# Allegro board com_v1_p3.brd (continued)
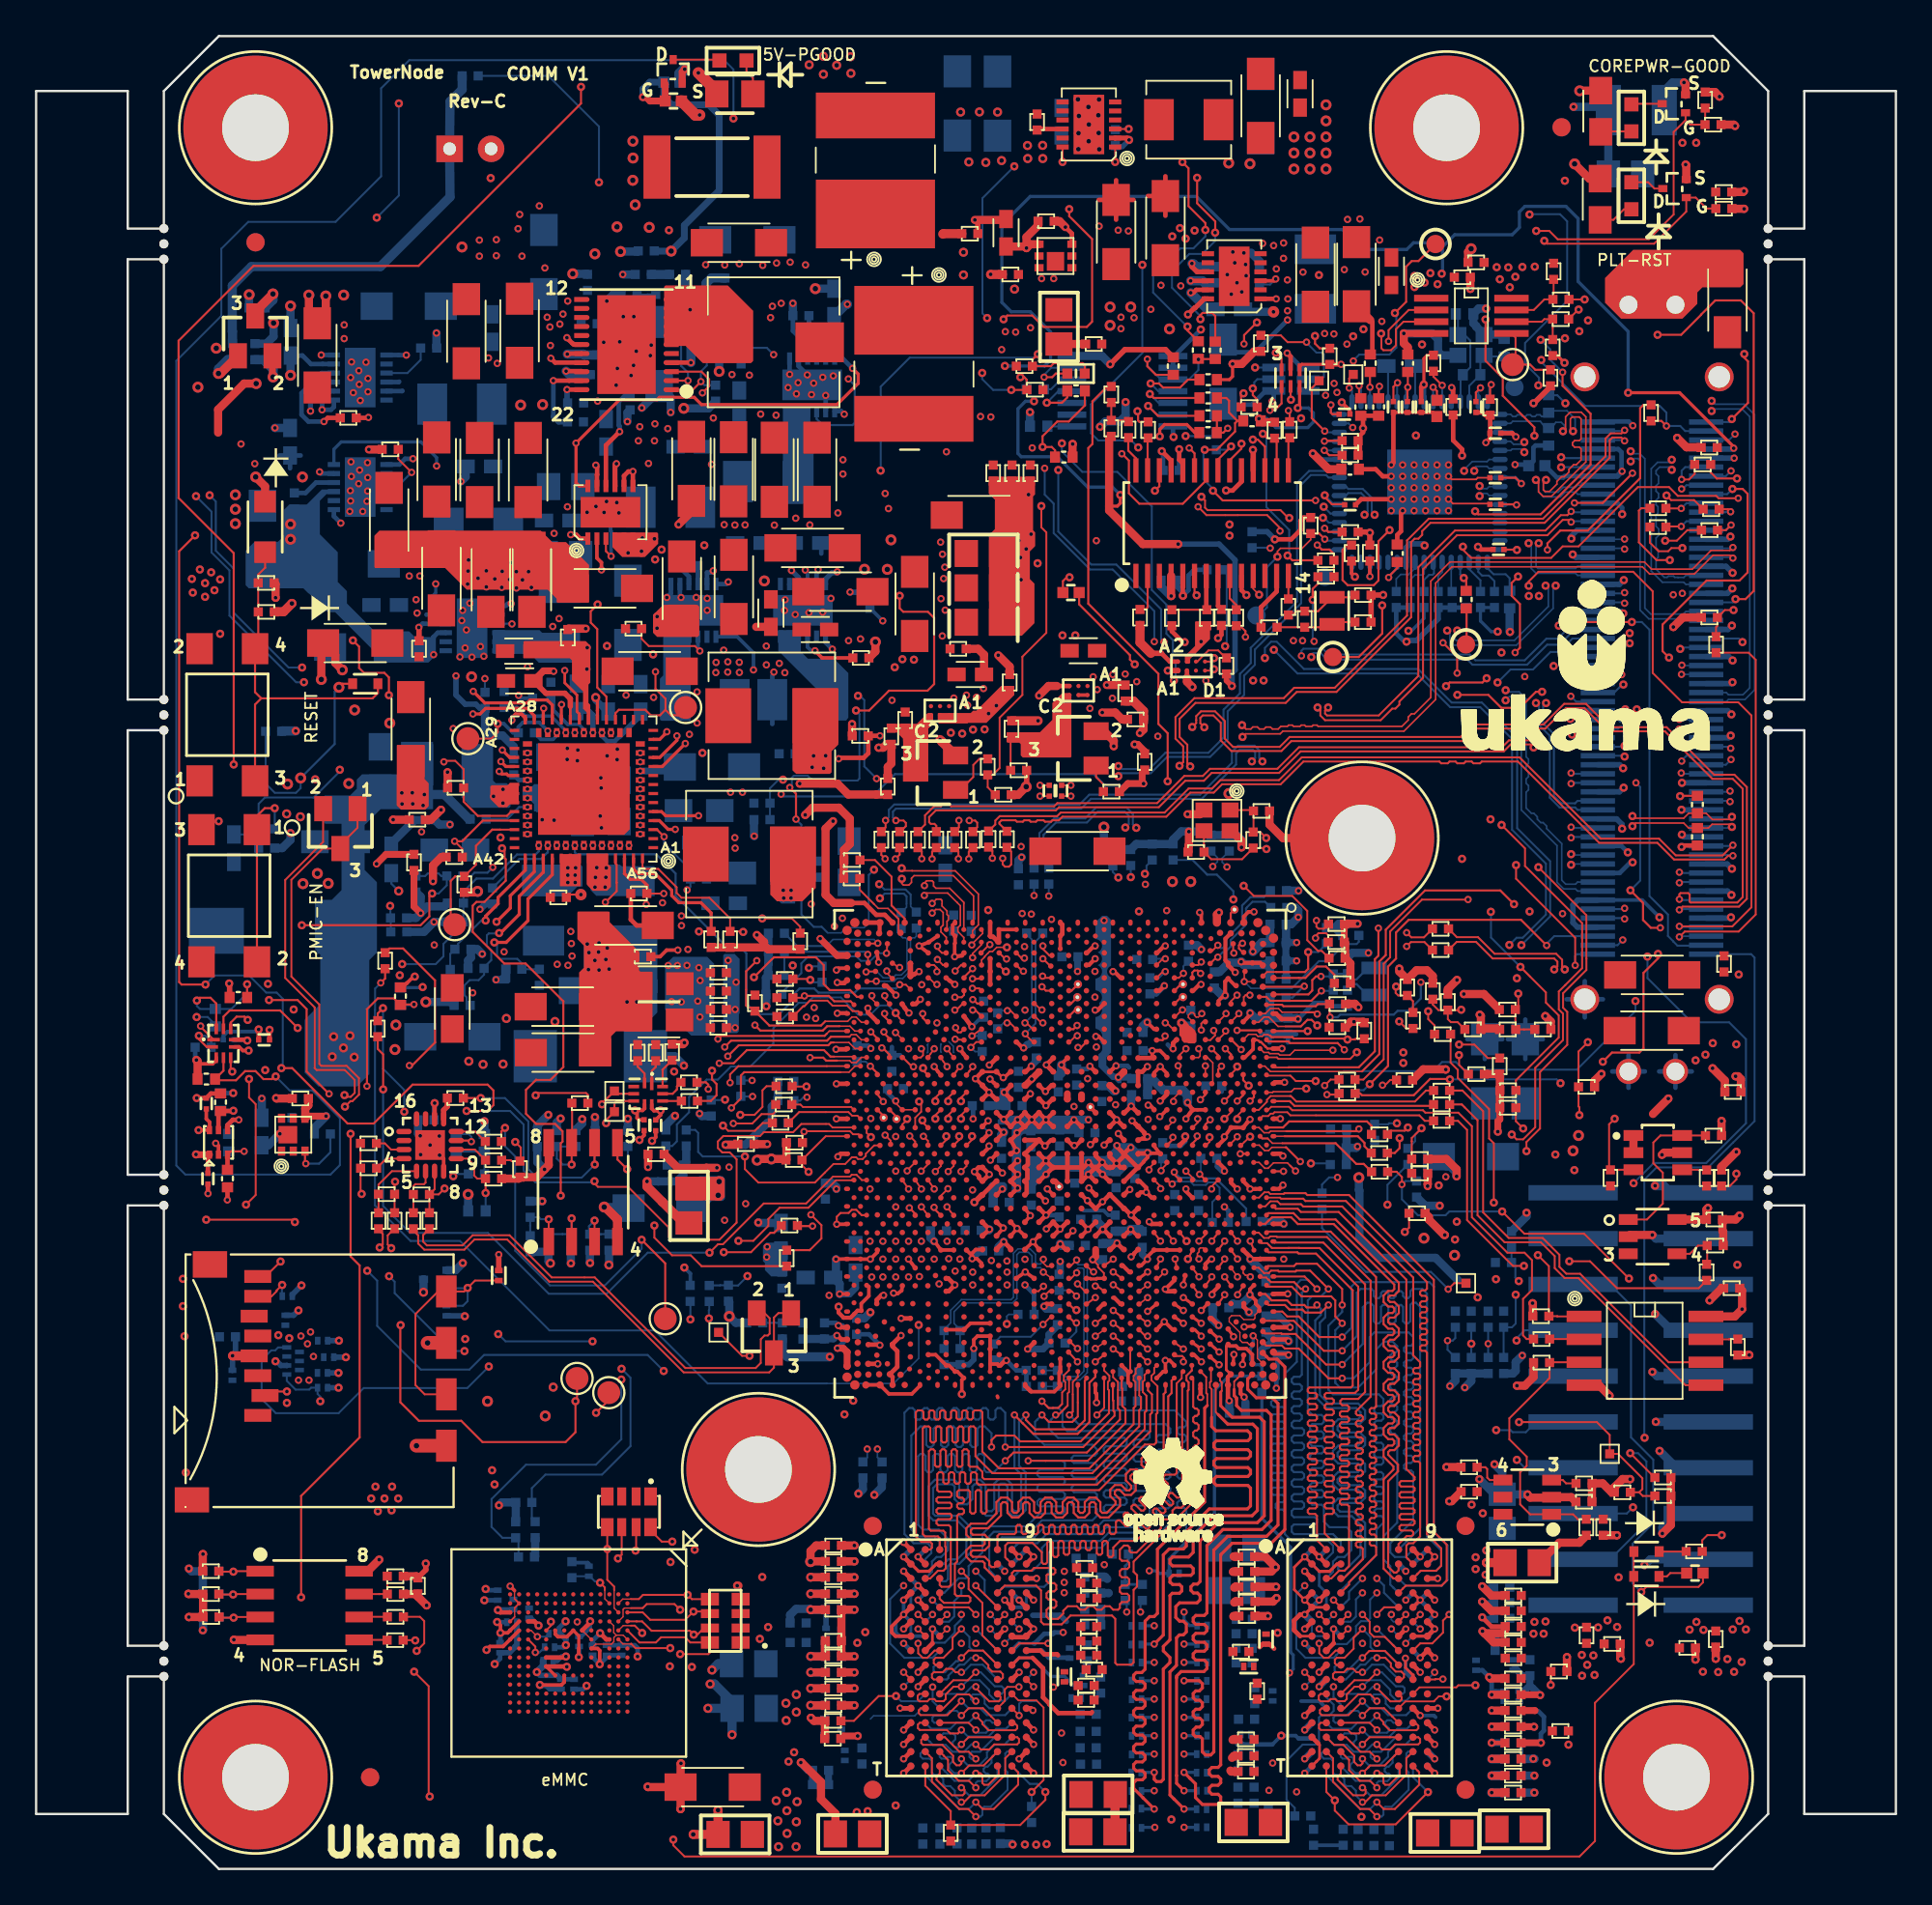
[diagram p0: board, top side]
## Routing (per net, layer and track width the routed paths; a pad name or vN(x,y) marks a point on that pad's centre or on a via; arc(x,y) is an arc through that point) (continued)
  TOP w0.102: 69.51,43.97 68.22,43.97 U3C1.B18
  TOP w0.109: R3B22.2 92.14,32.19 87.6,32.19 86.11,33.68 v1(84.96,33.68) ; v1(70.9,43.68) 69.81,43.68 69.51,43.97
  L5_SIG2 w0.099: v1(70.9,43.68) 71.21,43.98 71.87,43.98 72.37,43.47 72.37,42.63 76.04,38.96 81.35,38.96 84.94,35.37 84.94,33.7 v1(84.96,33.68)
N27587553: length 84.5
  TOP w0.102: U3C1.K24 64.37,41.38 v2(64.37,41.58)
  TOP w0.119: v1(94.26,77.08) 93.13,77.08 92.8,77.41 R2A18.1
  L3_SIG1 w0.102: v1(94.26,77.08) 94.26,77.08 95.07,76.27 95.07,34.28 v1(94.27,33.49)
  L5_SIG2 w0.099: 69.45,41.07 71.11,41.07 72.7,39.48 72.7,35.75 75.13,33.32 80.26,33.32 v1(80.9,32.69)
  L5_SIG2 w0.102: 69.45,41.07 64.88,41.07 v2(64.37,41.58)
  L6_SIG3 w0.099: v1(94.27,33.49) 93.1,34.66 81.9,34.66 80.9,33.66 v1(80.9,32.69)
N27607143: length 3.5
  TOP w0.109: R2A3.1 84.04,85.45 84.04,85.45 R11132.1 83.58,85.91 83.43,85.77 U2A1.6
N27607158: length 3.7
  TOP w0.109: R2A1.1 84.09,87.04 R11133.1 83.58,87 82.99,86.42 U2A1.7
N27610620: length 24.3
  BOTTOM w0.508: R1L3.2 23.61,98.64 22.94,97.97 C4752.1 22.94,92.68 19.08,88.82 11.93,88.82 10.87,87.77 10.87,85.23 10.88,85.22 R1L1.1
N27615406: length 2
  TOP w0.109: D10113.A 87.99,92 87.4,91.41 R10781.2
N27615423: length 1.9
  TOP w0.109: D10113.K 89.33,93.5 89.68,93.15 Q135.D
N27615619: length 1.7
  TOP w0.109: Q137.D 88.43,97.85 D10115.K
N27615623: length 1.7
  TOP w0.109: R10787.2 86.73,96.32 D10115.A
N27616365: length 3.4
  TOP w0.109: U304.2 v1(29.68,36.06)
  BOTTOM w0.109: v1(29.68,36.06) 29.68,35.23 R11160.2 29.17,35.19 29.17,35.19 R11162.1
N27616384: length 3.1
  TOP w0.109: U304.3 30.95,35.94 v1(30.95,35.94)
  BOTTOM w0.109: R11163.1 31.29,35.19 31.29,35.18 R11161.2 30.64,35.23 30.64,35.63 v1(30.95,35.94)
N27616481: length 3.3
  TOP w0.109: U304.1 v1(28.41,36.01)
  BOTTOM w0.109: v1(28.41,36.01) 27.97,36.01 27.86,36.12 R11223.2 27.38,35.66 R11224.1
N27621807: length 1.4
  TOP w0.109: R3B23.1 92.11,38.75 92.1,38.76 U9002.4
N27640878: length 2.9
  TOP w0.109: R1750.1 C4671.1 20.91,37.85 21.01,37.96 21.5,37.96 21.58,38.04 U7157.6
N27640903: length 4
  TOP w0.109: U7157.5 19.72,38.68 18.98,37.94 C4672.1 R1752.1
N27640907: length 1.9
  TOP w0.109: U7157.10 24.32,39.88 R11375.1
N27640938: length 13
  TOP w0.109: C4671.2 22.08,37.68 U7157.7 ; C4671.2 22.31,37.39 v1(22.63,37.72) ; C4671.2 R1751.1 ; v1(19.89,38.1) 19.87,38.07 C4672.2 R1753.1 ; v1(18.04,37.42) 17.98,37.47 R11377.1 17.98,39.3 17.97,39.31 R11378.1
  L3_SIG1 w0.102: v1(22.63,37.72) 20.27,37.72 v1(19.89,38.1) 19.21,37.42 v1(18.04,37.42)
N27640987: length 1.8
  TOP w0.109: R11256.1 24.34,40.88 U7157.12
N27641010: length 1.2
  TOP w0.305: R11374.1 22.79,42.27 22.58,42.06 U7157.13
N27641124: length 4.2
  TOP w0.109: U7157.9 23.91,39.38 24.28,39.01 24.28,38.43 24.45,38.27 R11376.1
  TOP w0.119: v1(24.91,37.47) 24.91,38.26 R11376.1
  BOTTOM w0.109: R11504.1 24.91,36.48 v1(24.91,37.47)
N27641366: length 1.7
  TOP w0.109: U7157.3 19.67,39.88 19.32,40.22 R11378.2
N27641399: length 1.7
  TOP w0.109: U7157.4 19.41,39.38 R11377.2
N27658136: length 2.7
  BOTTOM w0.157: R11379.2 R11380.2 60.35,16.79 60.53,16.96 C4746.1
N27706992: length 2.6
  TOP w0.109: R1359.1 19.46,15.24 R1358.2 19,15.24 19,15.24 U9003.7
N27706994: length 3.1
  TOP w0.109: U9003.1 10.96,16.51 v1(10.93,16.48) 10.15,16.48 R1352.2
  BOTTOM w0.109: R1355.1 10.15,16.48 v1(10.93,16.48)
N27706996: length 3.1
  TOP w0.109: U9003.3 10.98,13.97 v1(10.95,13.93) 10.18,13.93 R1353.2
  BOTTOM w0.109: R1356.1 10.18,13.93 v1(10.95,13.93)
N27707013: length 3.1
  TOP w0.109: R1354.2 10.15,15.21 v1(10.92,15.21) 10.94,15.24 U9003.2
  BOTTOM w0.109: v1(10.92,15.21) 10.16,15.21 R1357.1
N27707062: length 1.6
  TOP w0.109: U9003.5 19.44,12.7 R1360.1
N27707072: length 1.6
  TOP w0.109: R1361.1 17.91,13.98 U9003.6
N27761516: length 2
  TOP w0.109: R11381.2 39.72,99.28 39.37,99.63 D10148.A
N27761532: length 2.6
  TOP w0.109: D10148.K 37.82,100.3 Q138.D
N27770243: length 10.4
  TOP w0.086: U3C1.N24 62.98,41.41 v2(62.98,41.52)
  TOP w0.119: v2(71.53,42.93) 72.14,42.93 R2A19.1
  L5_SIG2 w0.086: v2(62.98,41.52) 63.5,42.04 65.02,42.04 65.21,42.22 69.51,42.22
  L5_SIG2 w0.099: 69.51,42.22 70.83,42.22 v2(71.53,42.93)
N27770387: length 11.2
  TOP w0.086: v2(63.03,42.55) 63.03,42.71 U3C1.M20
  TOP w0.109: R2A20.1 71.74,43.76 v2(71.41,43.43)
  L3_SIG1 w0.086: v2(63.03,42.55) 64.15,43.67 66.87,43.67 67.34,44.14 69.51,44.14
  L3_SIG1 w0.102: 69.51,44.14 71.17,44.14 71.41,43.9 v2(71.41,43.43)
N27792737:
  vias: v1(91.63,13.26) v1(92,13.69) v1(92.4,13.25) v1(94.01,13.28) v1(94.39,13.75) v1(94.75,13.28)
N27792751:
  vias: v1(85.27,13.37) v1(86.56,13.39) v1(87.08,13.78) v1(87.61,13.41)
N27793167: length 1.6
  TOP w0.109: R11487.2 90.56,16.4 90.37,16.22 D10149.K
N27907470: length 1.7
  TOP w0.119: U7177.10 34.72,44.31 R11439.1
N27907472: length 1.4
  TOP w0.119: R11441.2 34.34,44.46 34.12,44.24 U7177.1
N27907482: length 1.4
  TOP w0.119: R11440.1 33.34,44.47 33.72,44.09 U7177.2
N28033908: length 2.5
  TOP w0.254: v1(10.93,42.03) 10.92,42.01 R11494.1 10.11,41.9 U9005.5
  BOTTOM w0.254: v1(10.93,42.03) 10.22,42.03 R11492.2
N28033910: length 2.3
  TOP w0.254: v2(11.23,41.53) 10.9,41.53 10.61,41.23 U9005.4
  BOTTOM w0.254: v2(11.23,41.53) 10.91,41.53 10.63,41.25 10.63,40.79 R11493.1
N28074588: length 80.2
  TOP w0.086: U3C1.J18 v2(64.8,44.52)
  TOP w0.119: v2(19.1,49.12) 19.34,49.36 R2A21.1
  L7_PWR2 w0.086: v1(48.91,30.15) 49.38,29.68 57.76,29.68 58.25,30.18 58.25,30.57 59.45,31.77 60.22,31.77 61.12,32.66 61.12,34.42 61.24,34.54 61.24,35.6 60.97,35.87 60.36,35.87 60.09,36.13 60.09,37.99 61.28,39.18 61.95,39.18 62.47,39.7 62.47,40.69 62.77,40.99 63.15,40.99 63.34,41.17 63.34,41.99 63.42,42.08 63.42,42.62 63.36,42.68 63.36,42.95 63.5,43.1 63.5,44.04 63.98,44.52 v2(64.8,44.52)
  BOTTOM w0.086: v1(48.91,30.15) 48.91,28.3 47.52,26.91 43.82,26.91
  BOTTOM w0.109: 43.82,26.91 37.22,26.91 34.28,29.85 28.45,29.85 23.49,34.81 20.75,34.81 18.78,36.78 18.78,47.61 18.78,47.61 18.78,48.8 v2(19.1,49.12)
N28094393: length 1.4
  BOTTOM w0.109: R11491.1 56.05,79.96 U87.8
N28094509: length 4.6
  TOP w0.119: R622.2 62.17,80.55 v1(61.62,81.1)
  BOTTOM w0.109: U87.6 62.1,80.61 v1(61.62,81.1)
N28094511: length 4.3
  TOP w0.119: v1(61.72,81.76) 61.93,81.54 R623.2
  BOTTOM w0.109: v1(61.72,81.76) 62.21,81.26 U87.5
N28094557: length 4.4
  TOP w0.119: v1(61.76,82.34) 62.22,82.34 62.45,82.12 63.39,82.12 63.83,82.56 R624.1
  BOTTOM w0.109: v1(61.76,82.34) 62.19,81.91 U87.4
N28095103: length 7.4
  TOP w0.119: U9004.10 9.98,47.97 9.67,48.29 9.07,48.29 v1(8.91,48.14) ; R11499.1 v1(11.69,49.04)
  BOTTOM w0.109: v1(8.91,48.14) 8.91,47.84 9.07,47.67 R11500.2 10.82,47.67 11.69,48.55 v1(11.69,49.04)
N28095192: length 2.3
  TOP w0.119: v1(9.02,46.19) 9.02,46 9.45,45.57 U9004.2
  BOTTOM w0.109: v1(9.02,46.19) 9.37,46.19 9.7,45.85 R211.1
N28095405: length 23.3
  TOP w0.119: U9004.1 9.12,46.68 v2(9.12,46.72) ; v2(20.94,47.92) 20.21,47.92 R11498.2 19.84,48.26 18.93,48.26 18.33,47.66 v2(18.33,43.39) ; v1(12.91,48.16) 14.49,48.16 14.99,47.66 14.99,44.2 16.23,42.97 v2(16.23,42.97)
  L3_SIG1 w0.102: v2(9.12,46.72) 10.62,46.72 12.06,48.16 v1(12.91,48.16)
  L8_SIG4 w0.102: v2(18.33,43.39) 16.66,43.39 v2(16.23,42.97)
  BOTTOM w0.109: R11497.1 20.9,47.88 v2(20.94,47.92)
N28098364: length 2.5
  TOP w0.119: R11280.2 79.25,71.42 v1(79.11,71.56)
  BOTTOM w0.109: R2M55.1 79.25,71.42 v1(79.11,71.56) 78.92,71.76 U2M2.4
N28098567: length 2
  BOTTOM w0.109: U2M2.40 76.42,83.24 C2M21.2
N28098569: length 9.6
  TOP w0.119: C3B25.1 75.21,82.16 v2(75.44,82.38) ; C3B20.1 82.01,75.64 v2(82.04,75.61) ; C3B34.1 71.83,80.64 71.75,80.72 71.75,81.15 v2(71.75,81.16) ; v2(74.95,71.59) 74.95,71.64 75.43,72.12 C3B21.1 ; v2(77.42,82.13) 77.63,81.92 C2132.1
  BOTTOM w0.109: U2M2.59 82.02,75.63 v2(82.04,75.61) ; U2M2.38 75.42,82.36 v2(75.44,82.38) ; v2(74.95,71.59) 74.95,71.63 75.42,72.1 U2M2.11 ; v2(77.42,82.13) 77.42,82.11 U2M2.42 ; v2(71.75,81.16) 71.75,81.15 71.75,80.74 71.86,80.63 U2M2.32
N28098818: length 1.6
  TOP w0.203: v2(73.91,71.64) 73.91,71.65 R2M50.2
  BOTTOM w0.203: U2M2.14 73.92,71.65 v2(73.91,71.64)
N28098822: length 2
  BOTTOM w0.109: C2M21.1 74.92,83.22 U2M2.37
N28098835: length 2.4
  TOP w0.119: C3B36.1 72.48,75.65 71.8,75.65 71.41,76.04 v1(71.41,76.14)
  BOTTOM w0.109: U2M2.22 71.92,75.63 v1(71.41,76.14)
N28098898: length 1.7
  TOP w0.119: R2M51.2 73.92,82.97 v2(73.92,82.13)
  BOTTOM w0.109: v2(73.92,82.13) 73.92,82.13 U2M2.35
N28141258: length 7.3
  TOP w0.119: R619.1 64.42,83.7 R11502.1 ; R11503.1 62.05,82.82 61.58,83.29 v2(61.58,83.69)
  BOTTOM w0.109: v2(61.58,83.69) 61.58,83.69 61.58,83.31 62.33,82.56 U87.3 63.88,82.56 64.41,83.09 v1(64.41,83.68)
N28177816: length 2
  TOP w0.119: v2(24.12,40.32) 24.06,40.38 U7157.11
  BOTTOM w0.109: v2(24.12,40.32) 24.12,40.59 23.97,40.73 R11505.1
N28177907: length 69
  TOP w0.086: v2(63.28,44.52) 63.37,44.43 U3C1.M18
  L5_SIG2 w0.086: v2(63.28,44.52) 62.82,44.98 61.41,44.98 61.11,44.69 61.11,34.88 60.5,34.27 53.18,34.27 51.3,36.14 51.3,37.72 50.84,38.18 43.82,38.18
  L5_SIG2 w0.099: 43.82,38.18 43.1,38.18 41.31,36.39 41.31,30.8 39.75,29.25 v1(30.83,29.25)
  L8_SIG4 w0.102: v1(23.12,38.4) 23.12,35.53 25.61,33.03 v1(25.61,29.65)
  BOTTOM w0.109: v1(25.61,29.65) 26.01,29.25 v1(30.83,29.25) ; v1(23.12,38.4) 23.24,38.53 R2A25.1
N280944431: length 3.3
  TOP w0.119: R618.1 57.15,81.58 56.85,81.28 v1(56.01,81.28)
  BOTTOM w0.109: U87.11 56.64,81.91 v1(56.01,81.28)
N280944432: length 1.8
  BOTTOM w0.109: U87.12 56.78,82.56 56.24,82.02 R11490.1
N280944433: length 3.2
  TOP w0.119: v2(55.86,82.69) 56.3,82.69 56.51,82.89 R627.1
  BOTTOM w0.109: U87.13 56.25,83.21 55.86,82.82 v2(55.86,82.69)

## Copper pours and planes (outline as drawn; the poured copper is in the pictures)
D0VREFCA1 on TOP: 84.26,7.9 83.64,7.9 83.49,7.75 83.49,7.42 83.38,7.31 82,7.31 82,6.73 82.04,6.7 83.95,6.7 84.28,7.02 84.28,7.89
D0VREFCA1 on BOTTOM: 76.57,8.39 76.66,8.29 77.48,8.29 77.6,8.17 80.93,8.17 81.53,7.57 83.03,7.57 83.12,7.47 83.12,6.8 83.22,6.7 83.76,6.7 83.94,6.88 83.94,8.78 83.94,8.78 83.94,9.09 83.84,9.19 82.77,9.19 82.53,9.43 81.02,9.43 80.89,9.29 78.51,9.29 77.82,8.6 77.09,8.6 76.99,8.7 76.57,8.7
D0VREFCA3 on BOTTOM: 67.27,9.41 67.27,7.87 67.15,7.75 67.15,7.24 67.17,7.22 68.16,7.22 70.23,9.29 70.23,9.42 70.19,9.46 69.95,9.46 69.95,9.46 67.93,9.46 67.88,9.41 67.27,9.41
D0VREFDQ1 on TOP: 70.9,11.61 69.44,11.61 68.44,10.61 68.44,10.16 68.33,10.04 67.41,10.04 67.41,10.04 67.41,10.9 67.32,10.99 67.32,11.56 67.09,11.79 66.97,11.79 66.95,11.81 66.95,12.27 66.98,12.3 67.46,12.3 67.57,12.41 69.75,12.41 69.98,12.17 70.41,12.17 70.6,12.36 70.81,12.36 70.94,12.22 70.94,11.66
D0VREFDQ3 on BOTTOM: 76.86,12.37 76.86,12.02 77.03,11.85 77.39,11.85 77.49,11.95 77.84,11.95 78.39,11.4 81.54,11.4 81.63,11.49 82.25,11.49 82.4,11.34 83.04,11.34 83.12,11.42 83.12,12.24 82.99,12.37 80.19,12.37 79.58,12.97 78.18,12.97 77.67,12.46 76.95,12.46
D1VREFCA1 on BOTTOM: 43.4,7.57 43.4,6.48 43.47,6.41 47.32,6.41 47.45,6.54 47.45,7.83 47.43,7.84 47.94,8.35 49.37,8.35 49.61,8.59 49.61,9.05 49.49,9.16 49.06,9.16 48.56,8.67 46.4,8.67 46.17,8.43 46.17,7.12 46.01,6.96 45.3,6.96 45.16,7.1 45.16,7.23 45.04,7.35 44.14,7.35 44.01,7.47 44.01,7.56 43.95,7.62 43.44,7.62
D1VREFCA3 on TOP: 58,10.42 57.31,10.42 57.2,10.52 56.42,10.52 56.17,10.27 56.17,9.69 56.74,9.11 57.99,9.11 58,9.12 58,10.41
D1VREFCA3 on BOTTOM: 54.31,8.32 54.31,8.76 54.35,8.8 54.35,9.28 54.44,9.37 55.35,9.37 55.66,9.68 55.66,10 55.95,10.29 56.5,10.29 56.99,9.8 57.49,9.8 57.51,9.78 57.51,9.22 57.44,9.15 54.72,9.15 54.64,9.07 54.64,8.72 54.74,8.62 54.74,8.42 54.58,8.27 54.36,8.27
D1VREFDQ1 on BOTTOM: 59.34,10.38 58.58,10.38 58.39,10.56 57.74,10.56 57.71,10.6 57.71,10.85 57.52,11.03 56.55,11.03 55.7,11.88 54.69,11.88 54.6,11.97 54.6,12.28 54.65,12.32 55.01,12.32 55.24,12.09 56.53,12.09 56.77,11.84 57.71,11.84 57.77,11.78 59.26,11.78 59.41,11.63 59.41,10.45
D1VREFDQ3 on TOP: 48.64,11.79 46.03,11.79 45.55,12.26 45.4,12.26 45.26,12.41 45.26,13.5 45.38,13.63 46.98,13.63 47.09,13.52 47.09,12.57 47.39,12.27 48.62,12.27 48.68,12.2 48.68,11.82
D1VREFDQ3 on BOTTOM: 42.42,13.89 42.42,12.3 42.44,12.28 46.11,12.28 46.24,12.41 46.24,13.29 46.13,13.39 45.57,13.39 45.12,12.95 45.07,12.9 44.36,12.9 44.32,12.94 43.52,12.94 43.35,13.11 43.35,13.76 43.23,13.89 42.42,13.89
GND on TOP (solid shape): 94.62,89.56 94.62,87.85 94.44,87.67 92.34,87.67 92.06,87.39 92.06,86.76 91.23,85.93 87.83,85.93 86.94,86.82 86.94,88.19 88.51,89.76 94.42,89.76
GND on TOP (solid shape): 63.83,46.86 63.9,46.76 64,46.7 64.24,46.45 64.26,46.38 64.3,46.31 64.3,45.86 64.21,45.76 63.87,45.76 63.75,45.79 63.63,45.78 63.5,45.92 63.5,45.93 63.48,45.94 63.45,46.09 63.35,46.2 63.35,46.49 63.36,46.55 63.35,46.61 63.35,46.65 63.33,46.67 63.29,46.74 63.23,46.79 63.23,47 63.34,47.12 63.58,47.12
GND on BOTTOM (solid shape): 37.57,50.18 37.57,46.32 37.44,46.2 36.3,46.2 34.85,47.64 34.85,50.11 35.31,50.57 37.19,50.57
GND on BOTTOM (solid shape): 41.6,34.71 41.64,34.67 41.64,32.88 41.6,32.84 40.74,32.84 40.39,33.19 40.39,33.58 40.28,33.69 40.28,34.53 40.46,34.72 41.6,34.72
GND on L4_PWR1 (solid shape): 33.1,62.21 33.1,61.44 33,61.44 33,60.32 33.1,60.32 33.1,59.38 32.84,59.38 32.84,58.61 33.1,58.36 33.1,57.24 27.92,57.24 27.92,62.17 28.09,62.34 32.97,62.34
GND on TOP: 58.79,90.53 61.07,90.53 62.08,91.54 63.33,91.54 63.59,91.79 63.59,93.78 63.4,93.97 58.67,93.97 58.53,93.83 58.53,90.79
GND on TOP: 51.14,68.36 52.2,68.36 52.2,76.12 52.2,77.5 52.27,77.57 55.35,77.57 55.4,77.62 55.4,78.89 55.32,78.98 54.4,78.98 54.28,79.09 54.28,79.89 52.51,81.66 45.34,81.66 45.34,74.24 45.1,73.99 43.91,73.99 43.9,73.98 43.9,72.48 43.91,72.47 45.21,72.47 45.46,72.22 45.46,70.4 44.95,69.9 43.46,69.9 43.33,69.77 43.33,68.35 43.36,68.32 45.54,68.32 46.69,69.46 46.69,69.46 46.85,69.62 47.2,69.62 47.24,69.67 47.24,70.95 47.3,71.01 49.6,71.01 49.95,70.66 49.95,69.48 50.02,69.41 50.02,69.11 49.89,68.98 49.89,66.14 50.2,65.83 51.51,65.83 51.51,65.83 51.51,66.77 50.9,67.38 50.9,68.12
GND on TOP: 28.32,48.47 28.32,44.47 28.1,44.24 22.9,44.24 22.45,44.69 22.45,47.26 22.5,47.31 24.58,47.31 24.76,47.49 24.76,48.49 24.83,48.56 28.24,48.56
GND on TOP: 31.27,68.75 31.53,69.01 32.91,69.01 32.92,69 32.92,68.46 33.12,68.25 33.12,65.62 33.05,65.56 31.31,65.56 31.27,65.6
GND on TOP: 40.13,69.86 41.09,69.86 41.1,69.87 41.1,71.19 40.54,71.75 39.63,71.75 39.44,71.94 39.44,73.78 39.21,74.01 35.2,74.01 35.02,73.83 35.02,72.62 34.62,72.23 32.55,72.23 32.41,72.08 32.41,70.23 32.41,70.22 34.19,70.22 34.2,70.23 34.2,70.69 34.35,70.85 37.76,70.85 38.2,70.4 39.59,70.4
GND on TOP: 65.63,86.63 65.54,86.72 65.54,88.85 65.5,88.9 64.59,88.9 64.59,89.67 64.61,89.69 65.53,89.69 65.54,89.71 65.54,90.28 65.71,90.45 65.71,92.78 66,93.08 72.25,93.08 72.87,93.7 72.87,98 72.25,98.62 66.91,98.62 66.07,99.46 59.53,99.46 59.19,99.12 59.19,95.11 59.12,95.04 57.5,95.04 57.48,95.07 57.48,97.18 57.35,97.31 56.75,97.31 56.54,97.52 56.54,98.45 56.14,98.84 56.14,98.86 49.93,98.86 49.83,98.75 49.83,95.95 49.81,95.93 43.16,95.93 42.66,96.43 42.66,99.32 42.37,99.61 42.37,100.18 43.07,100.88 80.65,100.88 82.57,98.95 82.57,95.2 79.71,92.34 77.98,92.34 75.48,89.85 75.48,88.84 75.46,88.81 74.72,88.81 74.27,89.27 70.13,89.27 70.13,91.03 70.02,91.15 67.66,91.15 67.24,90.73 67.24,87.74 67.3,87.67 68.13,87.67 68.2,87.61 68.2,87.45 68.14,87.39 67.29,87.39 67.24,87.35 67.24,86.63
GND on TOP: 30.96,73.43 30.96,74.29 30.91,74.34 30.2,74.34 30.2,76.04 32.44,76.04 32.46,76.02 32.49,76.04 32.49,79.28 33.62,80.41 36.03,80.41 36.43,80.81 43.85,80.81 44.23,80.43 44.23,78.64 44.04,78.45 34.69,78.45 34.27,78.02 34.27,76.4 34.01,76.14 33.67,76.14 33.45,75.93 33.45,74.37 31.19,74.37 31.19,73.45 31.17,73.43
GND on TOP: outline of 420 points within 50.91,44.72 64.85,53.54
GND on TOP: 17.33,78.21 17.17,78.04 17.17,75.16 17.44,74.88 28.02,74.88 28.03,74.89 28.03,77.23 27.91,77.34 20.45,77.34 19.58,78.21
GND on TOP: 33.57,51.52 35.85,51.52 36.01,51.68 36.01,53 35.94,53.06 33.56,53.06 33.55,53.06 33.55,51.54
GND on TOP: 39.24,88.86 39.07,88.69 36.4,88.69 36.28,88.82 36.28,90.91 36.29,90.91 39.02,90.91 39.24,90.69
GND on TOP: 67.5,27.05 67.82,27.38 67.82,27.48 67.97,27.63 68.12,27.63 68.43,27.93 68.73,27.93 68.76,27.91 68.76,27.9 68.88,27.78 68.89,27.78 68.91,27.76 68.91,26.49 67.52,26.49 67.34,26.67 67.34,27 67.4,27.05
GND on TOP: 45.14,26.61 45.11,26.64 44.78,26.64 44.73,26.69 44.73,27.98 44.79,28.04 45.09,28.04 45.24,27.88 45.26,27.84 45.26,27.68 45.32,27.63 45.65,27.63 45.77,27.5 45.77,27.2 45.9,27.07 46.03,27.07 46.18,26.92 46.18,26.82 46.04,26.67 46.01,26.67 45.95,26.61
GND on TOP: 20,64.04 19.93,64.11 19.93,65.79 20.02,65.88 21.71,65.88 22.48,66.65 22.48,68.67 22.37,68.78 21.77,68.78 21.7,68.85 21.7,70.65 21.7,70.66 23.29,70.66 23.37,70.58 28.22,70.58 28.25,70.55 28.25,69.79 28.47,69.56 29.13,69.56 29.24,69.45 29.24,69.18 29.15,69.09 28.9,69.09 28.84,69.03 28.84,68.64 28.71,68.51 26.99,68.51 26.55,68.07 26.55,65.48 26.54,65.47 25.52,65.47 25.21,65.78 25.21,66.26 24.9,66.57 23.93,66.57 23.67,66.31 23.67,64.13 23.58,64.04
GND on TOP: 82.66,17.99 82.66,16.3 82.37,16.02 82.12,16.02 82.03,15.93 82.03,7.64 83.15,7.64 83.24,7.73 83.24,7.97 83.4,8.13 84.53,8.13 84.66,8.01 84.66,6.55 84.66,6.4 84.61,6.36 82.04,6.36 82.03,6.35 82.03,3.33 82.21,3.16 82.21,1.45 82.22,1.43 85.05,1.43 85.75,2.14 85.75,9.02 85.21,9.56 83.9,9.56 83.33,10.14 83.33,11.79 83.07,12.04 83.07,12.97 83.4,13.3 83.58,13.3 84.28,13.99 84.28,17.86 84.12,18.02 82.69,18.02
GND on TOP: 90.37,45.66 89.64,44.93 87.72,44.93 87.25,44.47 87.25,42.66 87.97,41.95 87.97,39.41 87.97,39.4 89.19,39.4 89.28,39.5 89.28,40.43 92.39,43.54 92.39,44.62 92.65,44.88 94.33,44.88 94.72,45.27 94.72,46.99 94.59,47.11 92.49,47.11 92.22,47.38 92.22,50.09 92.46,50.34 93.83,50.34 93.93,50.43 93.93,51.33 93.61,51.65 92.07,51.65 91.19,50.78 90.89,50.78 90.37,50.26
GND on TOP: 7.74,19.58 7.71,19.6 7.71,33.48 8.48,34.25 10.56,34.25 10.59,34.22 10.59,31.52 11.11,31 12.83,31 12.83,30.99 12.83,30.29 12.83,30.28 10.66,30.28 10.37,29.99 10.37,27.88 11.18,27.07 11.18,21.01 9.74,19.58
GND on TOP: 47.33,63.88 48.87,63.88 49.29,64.3 49.66,64.3 49.73,64.37 49.73,64.93 49.67,65 47.29,65 47.21,64.92 47.21,63.99
GND on TOP: 29.14,24.77 29.14,26.79 28.68,27.24 24.76,27.24 24.7,27.18 24.7,24.95 25.13,24.52 28.89,24.52
GND on TOP: 58.54,16.98 58.54,14.84 58.64,14.74 59.74,14.74 59.83,14.84 59.83,16.79 59.58,17.04 58.67,17.04 58.61,16.98
GND on TOP: 57.43,83.92 57.43,85.15 57.41,85.17 55.7,85.17 55.69,85.17 55.17,85.69 53.8,85.69 53.22,85.11 53.22,83.88 53.28,83.81 54.7,83.81 55.29,84.4 55.73,84.4 56.25,83.88 57.39,83.88
GND on TOP: outline of 85 points within 63.88,47.8 70.18,53.4
GND on TOP: outline of 1088 points within 44.72,25.96 69.62,49.22
GND on TOP: 86.72,9.08 86.72,2.96 88.83,0.86 92.46,0.86 95,3.4 95,8.96 94.32,9.64 91.79,9.64 91.32,10.12 91.32,12.51 91.27,12.55 89.9,12.55 89.76,12.42 89.76,12.13
GND on TOP: 45.8,53.02 46.19,52.63 46.19,52.38 45.7,51.9 45.7,51.86 45.46,51.63 45.3,51.63 45.23,51.56 45.23,51.14 45.18,51.09 44.47,51.09 44,51.56 44,52.76 44.26,53.02
GND on TOP: 44.94,1.19 44.94,2.95 44.07,3.82 44.07,5.1 42.48,6.69 41.46,6.69 41.23,6.45 41.23,5.98 43.16,4.05 43.16,1.63 43.59,1.19
GND on TOP: 68.12,58.95 68.12,57.8 69.42,56.5 69.42,55.64 71.9,53.16 75.09,53.16 77.49,55.56 77.49,58.72 75.09,61.12 71.8,61.12 69.87,59.19 68.35,59.19
GND on TOP: 57.06,65.45 57.06,66.2 56.97,66.29 56.97,67.04 56.92,67.09 56.56,67.09 56.43,67.22 56.43,68.28 56.78,68.63 57.67,68.63 57.78,68.51 57.78,66.42 57.42,66.06 57.42,65.47 57.36,65.41 57.1,65.41
GND on TOP: 37.62,49.88 37.62,46.37 35.73,46.37 35.59,46.23 34.93,46.23 34.59,45.89 34.59,45.44 34.58,45.44 33.08,45.44 32.96,45.31 32.96,44.39 33.42,43.93 33.42,43.3 33.39,43.27 32.71,43.27 32.35,43.63 32.35,46.11 32.46,46.22 34.21,46.22 34.34,46.35 34.34,49.72 34.92,50.3 37.2,50.3
GND on TOP: 23.01,90.41 23.9,91.31 27.36,91.31 28.48,90.19 28.48,87.1 27.5,86.12 23.06,86.12 23.01,86.18
GND on TOP: 8.29,49.62 8.49,49.42 10.43,49.42 10.64,49.64 10.64,68.53 10.4,68.77 8.51,68.77 8.29,68.55
GND on TOP: 54.34,55.74 54.42,55.66 56.81,55.66 56.82,55.66 56.82,57.16 56.8,57.18 54.46,57.18 54.34,57.06
GND on TOP: 59.14,1.3 59.14,4.89 59.26,5.01 59.26,7.22 58.37,8.11 58.37,9.62 58.38,9.62 59.19,9.62 59.23,9.65 59.23,10.62 59.05,10.8 58.85,10.8 58.82,10.82 58.82,11.3 58.52,11.6 58.52,13.62 58.6,13.69 59.48,13.69 59.48,13.69 59.48,11.3 59.78,11 60.2,11 60.46,10.75 60.46,2.85 61.55,1.75 65.74,1.75 65.85,1.86 65.85,3.56 65.95,3.66 65.95,13.54 65.97,13.56 65.97,17.26 66.35,17.64 66.82,17.64 66.91,17.55 66.91,12.85 66.84,12.78 66.76,12.78 66.57,12.59 66.57,11.65 66.7,11.53 67.02,11.53 67.08,11.48 67.08,10.99 66.86,10.77 66.86,9.6 66.86,4.05 67.15,3.76 67.15,1.74 67.29,1.6 69.97,1.6 70.32,1.95 70.32,4.57 70.09,4.8 70.09,5.48 70.12,5.51 70.45,5.51 71.08,6.14 71.13,6.14 71.18,6.09 71.18,2.77 71.92,2.03 75.52,2.03 76.23,2.74 77.75,2.74 77.76,2.73 77.76,1.24 77.38,0.86 59.58,0.86
GND on BOTTOM: 29.8,76.14 29.8,77.24 29.92,77.36 31.42,77.36 32.26,76.52 32.26,74.98 32.21,74.92 31.65,74.92 31.4,74.67 31.4,74.11 31.57,73.94 31.57,71.92 31.44,71.79 31.13,71.79 30.81,72.12 29.6,72.12 29.53,72.2 29.53,73.67 28.98,74.21 28.98,75.33
GND on BOTTOM: 42.33,96.32 42.33,100.34 42.85,100.86 81.69,100.86 82.48,100.07 82.48,91.7 81.82,91.03 76.41,91.03 75.4,90.02 73.46,90.02 72.43,91.05 67.65,91.05 67.39,90.79 67.39,90.01 68.1,89.31 68.1,88.45 67.7,88.45 67.67,88.48 67.44,88.48 67.31,88.34 67.31,86.38 67.1,86.17 66.63,86.17 66.42,86.38 66.42,86.87 66.14,87.15 65.96,87.15 65.81,87.3 65.81,92.6 66.51,93.29 72.31,93.29 72.58,93.57 72.58,97.97 71.92,98.63 66.87,98.63 66.02,99.47 59.59,99.47 59.17,99.05 59.17,95.08 57.51,95.08 57.45,95.15 57.45,97.17 57.39,97.22 56.59,97.22 56.4,97.42 56.4,98.35 55.94,98.81 50.54,98.81 49.82,98.1 49.82,96.26 49.48,95.92 42.75,95.92 42.35,96.32
GND on BOTTOM: 18.49,61.36 18.44,61.41 18.44,63.11 17.43,64.13 17.43,65.37 18.62,66.57 21.87,66.57 22.4,67.1 22.4,68.09 22.48,68.17 23.19,68.17 23.27,68.24 23.27,70.4 25.02,70.4 25.02,67.2 25.16,67.06 25.59,67.06 26.42,66.24 28.22,66.24 28.42,66.03 29.38,66.03 29.55,66.21 30.71,66.21 31.32,66.82 31.32,68.49 31.63,68.8 33.51,68.8 33.89,68.43 33.89,65.27 33.78,65.17 33.12,65.17 32.89,65.4 32.31,65.4 32.08,65.17 31.29,65.17 31.22,65.25 30.48,65.25 30.42,65.18 29.16,65.18 28.82,65.53 26.31,65.53 26.23,65.45 26.23,65.05 26.2,65.02 25.55,65.02 25.45,65.12 25.45,65.55 25.48,65.58 25.48,65.98 24.82,66.64 23.85,66.64 23.47,66.26 23.47,65.91 22.46,64.89 21.95,64.89 19.84,62.78 19.84,61.46 19.74,61.36
GND on BOTTOM: 17.12,68.63 15.19,68.63 15.12,68.55 15.12,65.75 15.45,65.42 17.02,65.42 17.45,65.86 17.45,68.29
GND on BOTTOM: 29.11,60.4 29.11,59.79 29.42,59.48 32.69,59.48 32.84,59.63 32.84,61.08 33.05,61.28 33.05,61.97 32.64,62.38 29.62,62.38 29.51,62.49 27.43,62.49 27.36,62.41 27.36,60.93 27.74,60.55 28.96,60.55
GND on BOTTOM: 27.41,18.62 27.41,16.6 27.04,16.23 24.71,16.23 24.3,15.83 24.3,15.41 24.42,15.29 26.08,15.29 26.18,15.18 26.18,14.81 26.21,14.78 26.78,14.78 26.84,14.72 26.84,14.35 26.89,14.3 27.6,14.3 27.65,14.35 27.65,14.73 27.75,14.82 28.46,14.82 28.83,15.2 28.83,16.26 29.35,16.78 30.2,16.78 30.35,16.62 30.87,16.62 30.91,16.66 30.91,17.46 29.75,18.62
GND on BOTTOM: 19.52,71.26 19.59,71.32 21.44,71.32 21.57,71.44 21.57,72.1 19.45,74.22 19.14,74.22 18.78,74.59 18.78,77.13 18.87,77.22 19.74,77.22 19.74,77.47 18.99,77.47 18.82,77.64 18.82,78.14 18.71,78.24 17.23,78.24 17.11,78.12 17.11,76.09 17,75.98 16.21,75.98 16.16,75.93 16.16,74.7 17.79,73.07 17.79,69.89 18.22,69.47 18.98,69.47 19.12,69.6 19.12,71.04 19.34,71.26
GND on BOTTOM: 50.01,55.73 50.01,53.9 50.38,53.53 50.38,52.81 50.61,52.57 53.17,52.57 53.28,52.69 53.28,53.4 52.99,53.69 51.69,53.69 51.05,54.33 51.05,55.54 50.99,55.6 50.97,55.6 50.8,55.76 50.04,55.76
GND on BOTTOM: 43.13,67.91 43.08,67.96 43.08,68.75 42.93,68.9 37.49,68.9 37.49,68.9 37.31,68.72 37.31,67.97 37.06,67.97 37.04,67.99 37.04,68.73 36.86,68.9 34.77,68.9 34.7,68.98 34.7,71.29 35.05,71.65 35.82,71.65 35.87,71.6 35.87,70.73 35.97,70.63 39.03,70.63 39.04,70.64 39.44,70.64 39.75,70.95 39.75,73.92 39.79,73.96 42.43,73.96 42.5,73.89 42.5,73.13 42.45,73.08 42.26,73.08 41.92,72.74 41.92,72 41.91,71.99 41.91,70.94 42.12,70.73 44.25,70.73 44.43,70.56 44.43,69.06 44.27,68.9 43.46,68.9 43.41,68.85 43.41,67.96 43.36,67.91
GND on BOTTOM: 30.13,81.55 30.53,81.55 30.83,81.85 30.83,82.49 30.84,83.18 31.62,83.18 31.62,84.27 31.58,84.27 31.21,84.64 31.21,84.98 31.69,85.47 31.69,85.49 31.79,85.58 32.18,85.58 32.29,85.69 32.29,86.25 32.41,86.38 35.33,86.38 35.54,86.18 35.54,84.25 35.41,84.12 34.7,84.12 32.36,81.78 32.36,79.95 32.21,79.8 30.89,79.8 30.76,79.67 30.02,79.67 29.92,79.78 29.92,81.35
GND on BOTTOM: 84.73,43.34 85.78,42.3 85.78,38.74 85.65,38.61 80.46,38.61 80.37,38.7 80.37,40.68 79.51,41.54 79.51,43.32 79.53,43.34
GND on BOTTOM: 11.97,42.96 11.97,41.43 12.12,41.28 15.21,41.28 15.21,41.29 15.49,41.57 15.49,42.21 15.49,42.21 15.49,42.85 15.37,42.96 14.76,42.96 14.75,42.96
